# Altium PCB walle_sample_imu.PcbDoc
Units mil, origin at the board's own origin, x right, y up, seen from the top; angles counter-clockwise.
Board outline 771.65 x 547.04 mil, 4 copper layers (Top Layer, SIG2, SIG3, Bottom Layer), stack 23.756 mil thick; 38 components, 57 nets, 265 pads, 160 vias.
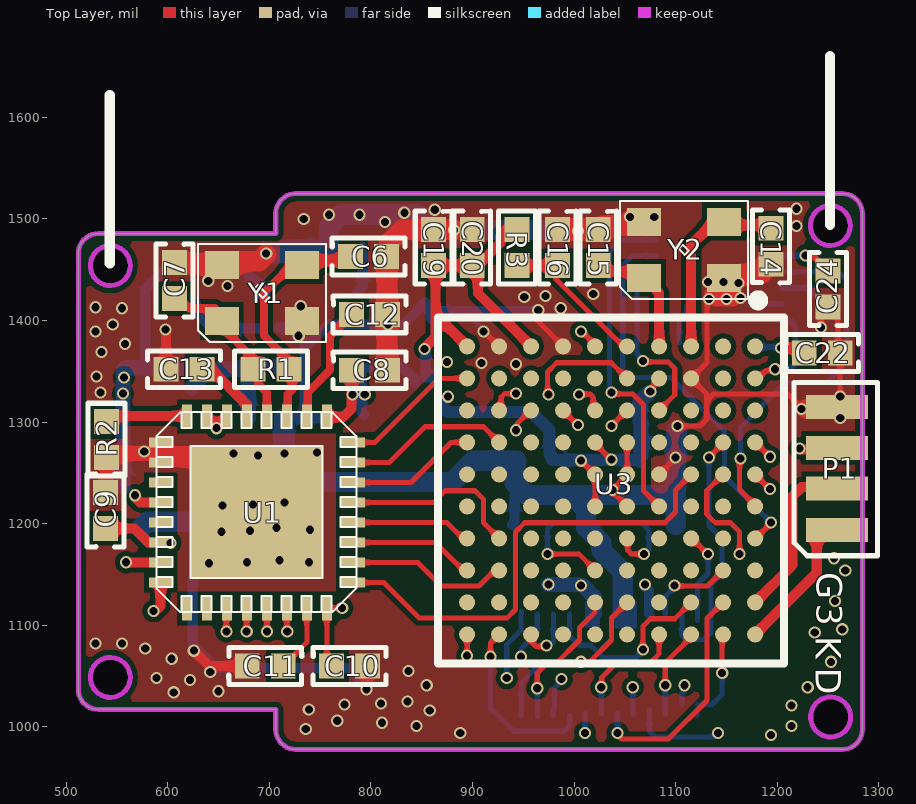
[diagram p0: Top Layer view]
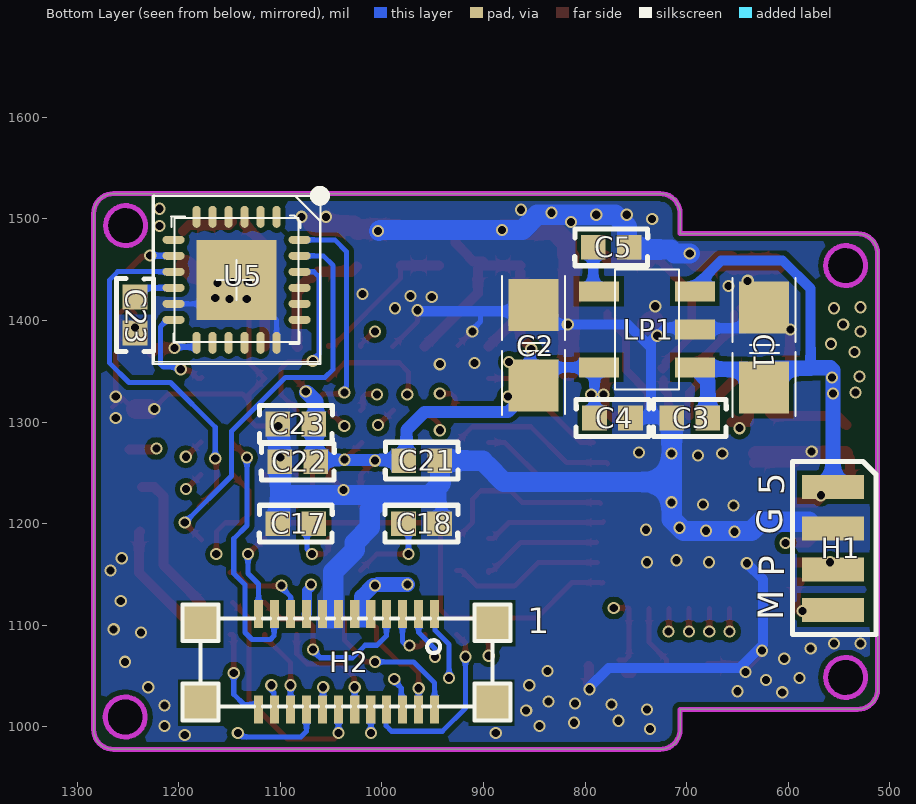
[diagram p1: Bottom Layer view, seen from below]
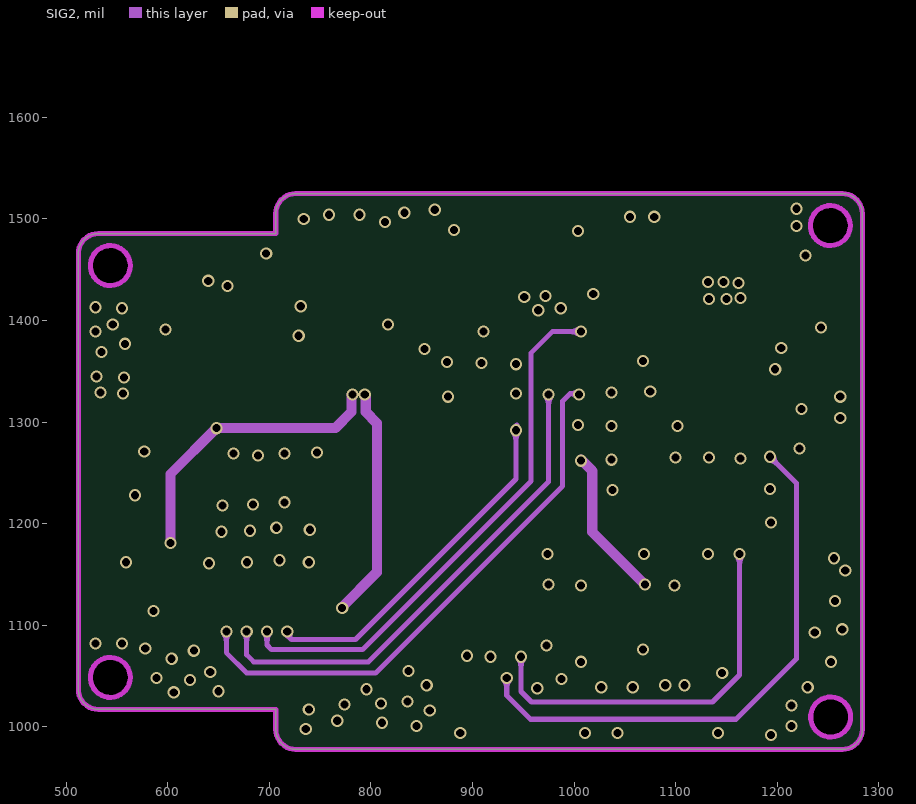
[diagram p2: SIG2]
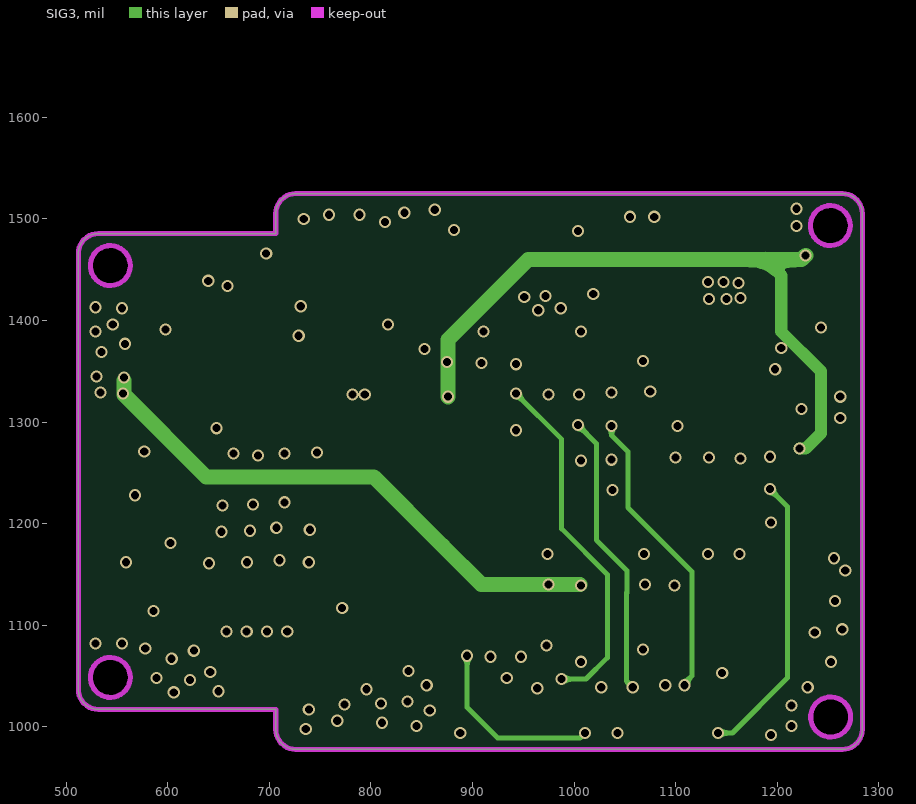
[diagram p3: SIG3]

## Layer stack, top to bottom
Top Solder: solder mask 0.4, Solder Resist, Dk 3.5
Top Layer: signal copper 1.4
Dielectric 2: prepreg 2.8, PP-006, Dk 4.1
SIG2: signal copper 1.3779
Dielectric 1: dielectric 12.6, FR-4, Dk 4.8
SIG3: signal copper 1.3779
Dielectric 3: prepreg 2.8, PP-006, Dk 4.1
Bottom Layer: signal copper 1.4
Bottom Solder: solder mask 0.4, Solder Resist, Dk 3.5

## Board outline
531.8,1017.2 cw(c531.8,1036.88) 512.11,1036.88 512.11,1465.81 cw(c531.8,1465.81) 531.8,1485.49 706.47,1485.49 706.47,1505.18 cw(c726.16,1505.18) 726.16,1524.86 1264.08,1524.86 cw(c1264.08,1505.18) 1283.77,1505.18 1283.77,997.51 cw(c1264.08,997.51) 1264.08,977.83 726.16,977.83 cw(c726.16,997.51) 706.47,997.51 706.47,1017.2
cut-out: 1252.27,1473.68 cw(c1252.27,1493.37) 1232.58,1493.37 cw(c1252.27,1493.37) 1252.27,1513.05 cw(c1252.27,1493.37) 1271.95,1493.37 cw(c1252.27,1493.37)
cut-out: 1232.92,1009.7 ccw(c1252.61,1009.7) 1252.61,990.01 ccw(c1252.61,1009.7) 1272.29,1009.7 ccw(c1252.61,1009.7) 1252.61,1029.38 ccw(c1252.61,1009.7)
cut-out: 543.61,1029.01 cw(c543.61,1048.7) 523.92,1048.7 cw(c543.61,1048.7) 543.61,1068.38 cw(c543.61,1048.7) 563.29,1048.7 cw(c543.61,1048.7)
cut-out: 543.61,1434.31 cw(c543.61,1454) 523.92,1454 cw(c543.61,1454) 543.61,1473.68 cw(c543.61,1454) 563.29,1454 cw(c543.61,1454)

## Design rules (kind name [scope] priority, off if disabled: settings)
Clearance [All] p1: gap=5 ignorepadtopadclearanceinfootprint=FALSE
ComponentClearance [All] p1: gap=10 collisioncheckmode=3 verticalgap=0 showdistances=FALSE
HoleToHoleClearance [All] p1: gap=0 allowstackedmicrovias=TRUE
MinimumSolderMaskSliver [All] p1: minsoldermaskwidth=0
PlaneConnect [All] p1: planeconnectstyle=Direct reliefexpansion=20 reliefentries=4 reliefconductorwidth=10 reliefairgap=10
PolygonConnect [All] p1: connectstyle=Direct reliefconductorwidth=10 reliefentries=4 polygonreliefangle="90 Angle" airgapwidth=10
RoutingVias [All] p1: holewidth=8 width=12 viastyle="Through Hole" minholewidth=8 minwidth=12 maxholewidth=8 maxwidth=20
SilkToSilkClearance [All] p1: silktosilkclearance=0
SilkToSolderMaskClearance [IsPad] p1: minsilkscreentomaskgap=0 clearancetoexposedcopper=TRUE
SolderMaskExpansion [All] p1: expansion=4
Width [All] p1: maxlimit=20 minlimit=5 preferedwidth=6
24 further rules are at their usual default settings.

## Classes and differential pairs
component class sensor: C22 C23 C24 U5
component class Blackbox-h743-bga: C1 C2 C3 C4 C5 C6 C7 C8 C9 C10 C11 C12 C13 C14 C15 C16 C17 C18 C19 C20 C21 C22 C23 H1 H2 LP1 P1 R1 R2 R3 U1 U3 Y1 Y2

## Components (designator, comment, footprint, x,y, rotation, side; value= is the part's Value field where it differs from the comment)
C1 "47uf" 0805_C 625,1383 r90 bottom
C2 "47uf" 0805_C 852,1385 r90 bottom
C3 "Cap" C0402 697,1304 r180 bottom value=104
C4 "Cap" C0402 773,1304 r180 bottom value=104
C5 "Cap" C0402 774.28,1472 r0 bottom value=10nf
C6 "Cap" C0402 797.82,1463 r0 top value=10P
C7 "Cap" C0402 606.82,1439.28 r90 top value=10P
C8 "104" C0402 798.82,1351 r0 top
C9 "104" C0402 538.82,1213 r90 top
C10 "104" C0402 779.11,1060 r0 top
C11 "10uf" C0402 696.11,1060 r180 top
C12 "10uf" C0402 798.82,1406 r0 top
C13 "10uf" C0402 616.11,1352 r180 top
C14 "Cap" C0402 1193.82,1473 r90 top value=10P
C15 "Cap" C0402 1023.82,1471.72 r270 top value=10P
C16 "10uf" C0402 983.82,1471.72 r270 top
C17 "Cap" C0402 1084.82,1200 r0 bottom value=2.2UF
C18 "Cap" C0402 961.11,1200 r180 bottom value=2.2UF
C19 "Cap" C0402 861.82,1471.72 r270 top value=104
C20 "Cap" C0402 899.82,1471.72 r270 top value=104
C21 "Cap" C0402 960.82,1262 r0 bottom value=104
C22 "Cap" C0402 1244.28,1368 r180 top value=104
C22 "Cap" C0402 1082.82,1261 r180 bottom value=104
C23 "Cap" C0402 1243,1405.28 r90 bottom value=1uf
C23 "Cap" C0402 1084.72,1298 r180 bottom value=104
C24 "Cap" C0402 1250,1431 r90 top value=104
H1 "header_4p_1.0" header4p_1.0_mini 555.02,1174.68 r270 bottom
H2 "HEADER_12PX2" 松下AXE-24PIN-0.4mm-socket 1035.09,1060.88 r0 bottom
LP1 "*3.3V稳压" SOT23-5 734,1389 r270 bottom
P1 "SWK" header4p_1.0_mini 1258,1255 r90 top
R1 "10M" R0402 701.82,1352 r180 top
R2 "Res2" R0402 539.82,1282.72 r270 top value=12k
R3 "10K" R0402 943.82,1471.72 r270 top
U1 "USB3300" USB3300 687.82,1211 r0 top
U3 "STM32H743VIH6" STMicroelectronics_TFBGA100-A08Q_MFG 1036.56,1232.76 r270 top locked
U5 "MPU6500" MPU6500-QFN24 1143,1440 r270 bottom
Y1 "晶振3225" X3225 692.82,1427 r0 top
Y2 "晶振3225" X3225 1108.19,1469.56 r0 top

## Footprints (in the part's own frame and the unit in brackets; to place one, negate y for a bottom-side part, rotate by r counter-clockwise, add the part's x,y. Pads: shape width x height; smd on the part's side, far side on the other; paste and mask are expansions set on the pad)
0805_C [mm]
  rect 1.3x1.25 smd: 1(-1.25,-0.025) 2(0.762,-0.025)
  silkscreen extent -1.98,-0.81 1.5,0.76
C0402 [mm]
  rect 0.62x0.62 smd: 1(-0.45,0) 2(0.45,0)
  silkscreen extent -0.91,-0.46 0.91,0.46, body extent -0.73,-0.25 0.73,0.25, height 0.51
header4p_1.0_mini [mm]
  rect 0.6x1.55 smd: 1(-1.557,-0.025) 2(-0.516,-0.025) 3(0.5,-0.025) 4(1.516,-0.025)
  silkscreen extent -2.2,-1.04 2.13,1.05
MPU6500-QFN24 [mm]
  oval 0.55x0.2 smd: 1(-1.575,1) 2(-1.575,0.6) 3(-1.575,0.2) 4(-1.575,-0.2) 5(-1.575,-0.6) 6(-1.575,-1) 13(1.575,-1) 14(1.575,-0.6) 15(1.575,-0.2) 16(1.575,0.2) 17(1.575,0.6) 18(1.575,1)
  oval 0.2x0.55 smd: 7(-1,-1.575) 8(-0.6,-1.575) 9(-0.2,-1.575) 10(0.2,-1.575) 11(0.6,-1.575) 12(1,-1.575) 19(1,1.575) 20(0.6,1.575) 21(0.2,1.575) 22(-0.2,1.575) 23(-0.6,1.575) 24(-1,1.575)
  rect 2x2 smd: 25(0,0)
  silkscreen extent -2.23,-2.1 2.1,2.21, body extent -1.55,-1.55 1.55,1.55, height 0.95
R0402 [mm]
  rect 0.62x0.62 smd: 1(-0.45,0) 2(0.45,0)
  silkscreen extent -0.91,-0.46 0.91,0.46, body extent -0.73,-0.25 0.73,0.25, height 0.51
SOT23-5 [mm]
  rect 0.5x1 smd: 1(0.894,1.069) 2(-0.056,1.069) 3(-1.006,1.069) 4(-1.006,-1.331) 5(0.894,-1.331)
  silkscreen extent -1.56,-0.93 1.44,0.67, body extent -1.51,-1.53 1.39,1.27, height 1.09
STMicroelectronics_TFBGA100-A08Q_MFG [mm]
  round 0.4 smd paste+0 mask+0: A1(-3.6,3.6) A2(-2.8,3.6) A3(-2,3.6) A4(-1.2,3.6) A5(-0.4,3.6) A6(0.4,3.6) A7(1.2,3.6) A8(2,3.6) A9(2.8,3.6) A10(3.6,3.6) B1(-3.6,2.8) B2(-2.8,2.8) B3(-2,2.8) B4(-1.2,2.8) B5(-0.4,2.8) B6(0.4,2.8) B7(1.2,2.8) B8(2,2.8) B9(2.8,2.8) B10(3.6,2.8) C1(-3.6,2) C2(-2.8,2) C3(-2,2) C4(-1.2,2) C5(-0.4,2) C6(0.4,2) C7(1.2,2) C8(2,2) C9(2.8,2) C10(3.6,2) D1(-3.6,1.2) D2(-2.8,1.2) D3(-2,1.2) D4(-1.2,1.2) D5(-0.4,1.2) D6(0.4,1.2) D7(1.2,1.2) D8(2,1.2) D9(2.8,1.2) D10(3.6,1.2) E1(-3.6,0.4) E2(-2.8,0.4) E3(-2,0.4) E4(-1.2,0.4) E5(-0.4,0.4) E6(0.4,0.4) E7(1.2,0.4) E8(2,0.4) E9(2.8,0.4) E10(3.6,0.4) F1(-3.6,-0.4) F2(-2.8,-0.4) F3(-2,-0.4) F4(-1.2,-0.4) F5(-0.4,-0.4) F6(0.4,-0.4) F7(1.2,-0.4) F8(2,-0.4) F9(2.8,-0.4) F10(3.6,-0.4) G1(-3.6,-1.2) G2(-2.8,-1.2) G3(-2,-1.2) G4(-1.2,-1.2) G5(-0.4,-1.2) G6(0.4,-1.2) G7(1.2,-1.2) G8(2,-1.2) G9(2.8,-1.2) G10(3.6,-1.2) H1(-3.6,-2) H2(-2.8,-2) H3(-2,-2) H4(-1.2,-2) H5(-0.4,-2) H6(0.4,-2) H7(1.2,-2) H8(2,-2) H9(2.8,-2) H10(3.6,-2) J1(-3.6,-2.8) J2(-2.8,-2.8) J3(-2,-2.8) J4(-1.2,-2.8) J5(-0.4,-2.8) J6(0.4,-2.8) J7(1.2,-2.8) J8(2,-2.8) J9(2.8,-2.8) J10(3.6,-2.8) K1(-3.6,-3.6) K2(-2.8,-3.6) K3(-2,-3.6) K4(-1.2,-3.6) K5(-0.4,-3.6) K6(0.4,-3.6) K7(1.2,-3.6) K8(2,-3.6) K9(2.8,-3.6) K10(3.6,-3.6)
  silkscreen extent -4.87,-4.33 4.33,4.32, body extent -4.57,-4.57 4.57,4.57, height 0.25
USB3300 [mm]
  rect 3.3x3.3 smd: 0(0,0)
  rect 0.6x0.25 smd: 1(-2.4,1.75) 2(-2.4,1.25) 3(-2.4,0.75) 4(-2.4,0.25) 5(-2.4,-0.25) 6(-2.4,-0.75) 7(-2.4,-1.25) 8(-2.4,-1.75) 17(2.4,-1.75) 18(2.4,-1.25) 19(2.4,-0.75) 20(2.4,-0.25) 21(2.4,0.25) 22(2.4,0.75) 23(2.4,1.25) 24(2.4,1.75)
  rect 0.25x0.6 smd: 9(-1.75,-2.4) 10(-1.25,-2.4) 11(-0.75,-2.4) 12(-0.25,-2.4) 13(0.25,-2.4) 14(0.75,-2.4) 15(1.25,-2.4) 16(1.75,-2.4) 25(1.75,2.4) 26(1.25,2.4) 27(0.75,2.4) 28(0.25,2.4) 29(-0.25,2.4) 30(-0.75,2.4) 31(-1.25,2.4) 32(-1.75,2.4)
  silkscreen extent -2.51,-2.49 2.49,2.51
X3225 [mm]
  rect 0.85x0.7 smd: 1(-1,-0.7) 2(1,-0.7) 3(1,0.7) 4(-1,0.7)
  silkscreen extent -1.6,-1.22 1.6,1.22
松下AXE-24PIN-0.4mm-socket [mm] "松下AXE-24PIN-0.4mm"
  rect 0.23x0.7 smd: 1(-2.208,-1.272) 2(-1.808,-1.272) 3(-1.405,-1.272) 4(-1.005,-1.272) 5(-0.61,-1.272) 6(-0.21,-1.272) 7(0.194,-1.272) 8(0.592,-1.272) 9(0.994,-1.272) 10(1.392,-1.272) 11(1.795,-1.272) 12(2.191,-1.272) 13(2.191,1.115) 14(1.795,1.115) 15(1.392,1.115) 16(0.994,1.115) 17(0.592,1.115) 18(0.194,1.115) 19(-0.21,1.115) 20(-0.61,1.115) 21(-1.005,1.115) 22(-1.405,1.115) 23(-1.808,1.115) 24(-2.208,1.115)
  rect 0.9x0.92 smd: ""(-3.658,-1.041) ""(-3.632,0.94) ""(3.632,0.94) ""(3.658,-1.016)
  silkscreen extent -4.11,-1.52 4.09,1.38

## Part data
C1 C2: library part cap_pn
C3 C4 C5 C6 C7 C14 C15 C17 C18 C19 C20 C21 C22 C22 C23 C23 C24: "Capacitor", LatestRevisionDate=17-Jul-2002, LatestRevisionNote="Re-released for DXP Platform.", PackageReference=RAD-0.3, Published=8-Jun-2000, Publisher="Altium Limited"
  C3 C4 C5 C6 C7 C14 C15 C19 C20 C21 C22 C23: PackageDescription="Radial Cap, Thru-Hole; 2 Leads; 0.3 in Pin Spacing"
C8 C9 C10 C11 C12 C13 C16: library part CAP
LP1: library part LP2985
P1: library part SWD_4P
R1 R3: library part RES
R2: "Resistor", LatestRevisionDate=17-Jul-2002, LatestRevisionNote="Re-released for DXP Platform.", PackageDescription="Axial Device, Thru-Hole; 2 Leads; 0.4 in Pin Spacing", PackageReference=AXIAL-0.4, Published=8-Jun-2000, Publisher="Altium Limited"

## Via types
v1: diameter 12, hole 8, Top Layer to Bottom Layer, 160 vias

## Nets (pads, with @x,y where several pads share a name; then routed paths per layer and width w, separated by ;. In a path a pad name is that pad's centre, name@x,y a point inside that pad or via, vN(x,y) a via of type N, cw(c..) or ccw(c..) an arc to the next point about the centre after c; other vN are vias at no path point)
3.3V-SEN: C2.1 C4.1 C8.1 C9.1 C10.1 C19.2 C20.2 C21.2 C22.2 C23.2@1067,1298 C24.2 H2.9 LP1.5 P1.3 R3.1 U1.6 U1.16 U1.25 U1.30 U1.31 U3.D2 U3.F4 U3.F5 U3.F6 U3.H1 U3.K1 U5.8 U5.13 | length 2560.5
  Top Layer w5: C10.1@766.82,1066 760.43,1066 756.72,1069.7 U1.16 757.21,1117 v1@768.82,1117 ; v1@1006.95,1262.13 U3.F5@1020.07,1249.01 ; U3.F4@1019.58,1279.99 v1@1033.57,1266 ; U3.F6 U3.F5@1020.82,1248.01 ; v1@1072,1329.43 U3.D2@1085.99,1343.42
  Top Layer w6: v1@1230,1463 1235.72,1463 C24.2
  Top Layer w10: C9.1@542.82,1191.28 542.82,1192.08 546.03,1195.28 567.17,1195.28 580.9,1181.55 593.26,1181.55 U1.6 ; U1.31@638.63,1307.37 U1.31 638.63,1300.08 638.7,1300 U1.30@656,1300 ; C10.1@754.39,1053 C10.1@759.82,1053 ; U1.25@759.82,1305 772.82,1305 781.11,1313.28 C8.1 ; v1(853,1372) 853,1373 863.82,1383.82 863.82,1405.5 ; C19.2@863.82,1447 863.82,1405.5 ; C19.2@863.82,1454 C20.2 ; U3.K1 863.82,1405.5 ; C20.2@900.82,1458 909.82,1458 914.82,1463 ; C20.2@903.82,1453 905.52,1451.3 905.52,1426.8 U3.H1 ; 915.72,1464.45 927.48,1476.2 927.48,1482.65 934.26,1489.43 R3.1 ; v1(1204,1373) 1221.57,1373 C22.2@1226.57,1368 ; v1@1224,1273 P1.3@1248.49,1273
  SIG2 w10: v1(602.82,1181) 602.82,1248.82 v1(648,1294) 765,1294 781,1310 v1@781,1327 ; v1@771.32,1117.5 806,1152.18 806,1299 795,1310 v1@795,1326 ; v1@1007,1263 1018,1252 1018,1191.82 v1(1069.82,1140)
  SIG3 w12: 1188,1460 1204,1444 1204,1389 1243,1350 1243,1289 1228,1274 v1(1222,1274)
  SIG3 w15: v1(876,1325) 876,1381 955,1460 1188,1460 1224,1460 v1(1228,1464)
  Bottom Layer w6: U5.13 1182.37,1374.87 1183.24,1374 v1@1201,1374 ; U5.8 1205.2,1463.81 v1@1228.19,1463.81
  Bottom Layer w10: C4.1@793,1307 790.72,1309.28 790.72,1349.52 LP1.5 831.41,1353.82 844,1341.23 C2.1@844,1338 ; C2.1@854,1344 v1@854,1370 ; C22.2@1065,1266 C22.2@1066,1267 ; v1@1070,1138 1073.75,1134.25 1073.75,1111.43 H2.9
  Bottom Layer w12: C2.1@858,1346 C2.1@861,1343 ; C2.1@869,1323 869,1316.82 875.82,1310 958,1310 975.8,1292.2 975.8,1268.2 C21.2@979,1265 ; C21.2@978.54,1262.62 1063.49,1262.62 1065,1261.11 C22.2@1065,1261
  Bottom Layer w15: C22.2@1066,1267 C23.2@1066,1299 ; C23.2@1067,1298 C23.2@1066,1299 ; v1@1074,1329 1073.79,1329 1065,1320.21 1065,1300 C23.2@1066,1299
  other v1: 771.82,1117 1006.82,1262 1036.82,1263 782,1327 794,1327 1075,1330 875,1359
BOOT0: C1.2 C2.2 C3.1 C4.2 C5.1 C6.2 C7.2 C8.2 C9.2 C10.2 C11.2 C12.2 C13.2 C14.1 C15.1 C16.1 C17.2 C18.2 C19.1 C20.1 C21.1 C22.1 C23.1 C24.1 H1.2 H2.7 H2.8 LP1.2 P1.4 R2.2 U1.0 U1.1 U1.2 U3.C2 U3.D5 U3.E4 U3.E5 U3.E6 U3.G1 U3.J1 U5.11 U5.18 U5.25 Y1.2 Y1.4 Y2.2 Y2.4 | length 3516.4
  Top Layer w5: v1@911.25,1389.18 U3.J1@925.24,1375.18 ; v1(964.82,1410) 964.82,1398.99 U3.G1 ; v1@1037.58,1231.99 U3.E6@1051.57,1218 ; v1@1038.82,1234.25 U3.E5@1052.31,1247.74 ; U3.E4 U3.E5 U3.E5@1052.31,1247.74 ; U3.E5@1053,1246 1052.31,1246.69 U3.E5@1052.31,1247.74 ; U3.D5@1084.01,1248.58 v1@1098,1262.57 ; v1@1102.87,1296.13 1124.13,1296.13 1130.68,1302.68 1130.68,1321 ; Y2.2@1147.82,1437 1139.61,1437 1131,1428.39 1131,1358.7 U3.C2 1130.68,1327.63 1130.68,1321 ; v1@1243,1394 1243,1406.28 C24.1 ; P1.4@1254.81,1323.02 1245.79,1314 1224,1314 1212.12,1325.88 1210.37,1327.63 1137.3,1327.63 1130.68,1321 ; C24.1@1255,1410 1259.7,1405.3 1259.7,1370.3 1262,1368 v1(1262,1325) 1262,1318 P1.4@1265,1315 ; P1.4@1256.82,1321 P1.4@1259,1323.18
  Top Layer w10: C9.2 539.32,1231.22 539.32,1263.5 R2.2@539.82,1264 ; R2.2 R2.2@543.82,1269 ; U1.2@593.26,1260.29 U1.2 633.61,1260.21 U1.0@633.82,1260 ; C13.2 598.39,1390.39 v1@599,1391 ; v1(625.82,1075) 640.82,1060 C11.2 ; v1(795.82,1037) 796.21,1037.38 796.21,1059.38 C10.2
  Top Layer w15: R2.2@543.82,1269 U1.0@632,1269
  Top Layer w20: C7.2@611.82,1455 612.82,1456 645.89,1456 Y1.4@646.89,1455 ; Y1.4 657.23,1458.34 690.34,1458.34 v1@697,1465 ; Y1.2 735.15,1399.44 Y1.2@738.93,1395.66 ; C6.2 816.04,1462.5 816.04,1352.78 C8.2@817.82,1351 ; C8.2@815.82,1350.28 C8.2 ; C6.2@817.82,1465 817.82,1476 831.05,1489.23 v1@881.82,1489.23 ; C16.1 984.39,1490 1023.82,1490 C15.1@1024.39,1490 ; C15.1@1022.82,1489 1023.39,1489 C15.1 C15.1@1024.39,1490 ; Y2.4 1065.04,1493.34 1027.73,1493.34 C15.1@1024.39,1490 ; 1140.34,1423.78 1156,1423.78 ; Y2.2 1151.34,1445.78 1184.32,1445.78 C14.1@1192.82,1454.28 ; P1.4@1229,1312.81 P1.4@1241.98,1312.81
  Bottom Layer w5: 903,1406 903,1398.89 911,1390.89 v1(911,1389) ; C22.1@1090.83,1270.7 1098.54,1263 C22.1@1099.82,1263 ; U5.18 1103.63,1400.63 1111,1408 U5.25@1111,1414 ; U5.25@1168,1424 1175.62,1416.38 U5.11
  Bottom Layer w10: C1.2 C1.2@628,1417 ; C1.2@631,1411 631,1405.02 643.61,1392.41 690.74,1392.41 LP1.2 ; v1(640.82,1161) 624.82,1145 624.82,1081 647.82,1058 776.82,1058 v1@796.82,1038 ; LP1.2@709,1393 720.46,1393 v1@728.46,1385 ; C3.1@717,1301 719.5,1303.5 735,1303.5 ; v1@730,1385 735,1380 735,1373 ; C5.1@747.8,1464.8 749.36,1464.8 752,1467.43 C5.1@752,1469 ; C4.2@755.28,1303 754.78,1303.5 735,1303.5 ; v1@816,1396 758,1396 735,1373 ; v1(817,1396) 832,1396 C2.2 857,1409 862,1409 v1@964,1409 ; C2.2@849.5,1414 C2.2@853.5,1418 ; C18.2@938.82,1199 941.39,1201.57 941.39,1240 ; 735,1303.5 735,1373
  Bottom Layer w15: C2.2@862,1410 862,1409 862,1403.02 C2.2@868.11,1396.91
  Bottom Layer w20: H1.2@575,1197 580,1202 627,1202 636.28,1192.72 703,1192.72 714.72,1204.43 714.72,1241 ; v1(697,1466) 711.73,1466 715.52,1469.8 755.8,1469.8 C5.1@756,1470 ; C3.1 714.72,1241 ; C5.1 758.77,1474.2 758.77,1492.28 770.49,1504 847,1504 862,1489 v1(881.82,1489) 1001.82,1489 v1@1002.82,1488 ; 897,1258 880,1241 714.72,1241 ; 900.9,1262 C21.1 942.82,1261.72 942.82,1245 ; 941.82,1240 953.62,1228.2 997.41,1228.2 ; 1049.82,1108 1048,1109.82 1048,1152.82 1026.82,1174 1026.82,1181.3 1011.82,1196.3 1011.82,1213.8 997.41,1228.2 ; 1097,1230 1095.2,1228.2 997.41,1228.2 ; C17.2@1100,1199 1100,1260.46 1100.54,1261 1100.82,1261.28 C23.1@1100.82,1292
  other v1: 1194,992 888,994 736,998 845,1001 1214,1001 811,1004 767,1006 858,1016 739,1017 1214,1021 774,1022 810,1023 836,1025 606,1034 650,1035 1230,1039 855,1041 622,1046 589,1048 642,1054 837,1055 1253,1064 604,1067 578,1077 529,1082 555,1082 1237,1093 1264,1096 1257,1124 1267,1154 678,1162 739,1162 710,1164 1256,1166 653,1192 681,1193 740,1194 707,1196 654,1218 684,1219 715,1221 1037.82,1233 1100,1265 689,1267 665,1269 715,1269 747,1270 577,1271 1102,1296 1262,1304 1224,1313 534,1329 530,1345 943,1357 909,1358 535,1369 558,1377 729,1385 529,1389 598,1391 1243,1393 546,1396 555,1412 987,1412 529,1413 731,1414 1133,1421 1150,1421 1164,1422 951,1423 972,1424 1019,1426 659,1434 1162,1437 1132,1438 1147,1438 640,1439 1003.82,1488 1219,1493 814,1497 734,1500 1055,1502 1079,1502 759,1504 789,1504 833,1506 863,1509 1219,1510
CAM_D2: H2.4 U3.C9 | length 185.4
  Top Layer w5: v1@1067.82,1077 1067.82,1099 1075.23,1106.41 1099.18,1106.41 U3.C9
  Bottom Layer w5: H2.4 995.52,1089.68 1004.86,1080.34 1016.48,1080.34 1028.82,1068 1060.82,1068 v1@1068.32,1075.5
  other v1: 1067.82,1076
CAM_D3: H2.19 U3.D10 | length 113.7
  Top Layer w5: v1@1027.32,1042 1027.32,1048.5 1040.82,1062 1073.82,1062 1083.81,1071.98 U3.D10
  Bottom Layer w5: v1@1026.82,1035 1027.03,1017 H2.19@1027.07,1013.01
  other v1: 1026.82,1039
CAM_D4: H2.23 U3.F9 | length 138.5
  Top Layer w5: v1@963.82,1035 963.82,1053 972.82,1062 982.03,1062 1005.44,1085.41 1005.44,1097.62 1020.82,1112.99 U3.F9
  Bottom Layer w5: 963.84,1032 964,1017 964.06,1011 H2.23@964.07,1010.01
  other v1: 963.82,1038
CAM_D5: H2.24 U3.E9 | length 184
  Top Layer w5: v1(1006.82,1064) 1015.53,1064 1036.94,1085.41 1036.94,1107.15 U3.E9
  Bottom Layer w5: H2.24@947.6,1010.99 H2.24@947.58,1012.99 ; H2.24@948.17,1011 H2.24 948.17,1043.35 968.82,1064 v1(1006.82,1064)
CAM_D6: H2.10 U3.B8 | length 89.3
  Top Layer w5: v1(1098.82,1139) 1099.17,1138.65 1131.43,1138.65 U3.B8 1148.86,1151.97 U3.B8@1149.36,1151.97
  Bottom Layer w5: H2.10 1089.82,1111.03 1089.82,1128.11 1097.82,1136.11 v1@1097.82,1139
CAM_D7: H2.12 U3.C7 | length 90.6
  Top Layer w5: U3.C7@1115.58,1185.99 v1@1129.57,1172
  Bottom Layer w5: H2.12@1121.35,1104.96 H2.12 1121.35,1140.53 1131.82,1151 v1(1131.82,1170) v1@1130.82,1171
CAM_D8: H2.11 U3.B4 | length 255.2
  Top Layer w5: v1@1133.82,1266.25 U3.B4@1147.82,1280.24
  Bottom Layer w5: H2.11 1106.14,1110.58 1106.14,1089.68 1109.75,1086.07 1127.89,1086.07 1134.82,1093 1134.82,1139.86 1145.82,1150.86 1145.82,1185.18 1132.82,1198.18 v1@1132.82,1264
  other v1: 1132.82,1265
CAM_D9: H2.14 U3.E3 | length 334.6
  Top Layer w5: v1@1037,1296.43 U3.E3@1050.99,1310.42
  SIG3 w5: v1(1037,1296) 1037,1287 1053,1271 1053,1216 1116,1153 1116,1050 1109,1043 v1@1109,1039
  Bottom Layer w5: H2.14@1106.13,1022 1106.02,1033.05 1108.89,1035.99 v1(1108.82,1041) v1@1108.82,1043
CAM_EXP: H2.18 U3.B9 | length 230.5
  Top Layer w5: v1@1042.82,992 1046.82,988 1092.82,988 1130.82,1026 1130.82,1106.55 U3.B9
  Bottom Layer w5: H2.18@1042.58,1012.99 v1@1042.8,991
  other v1: 1042.82,994
CAM_HSYNC: H2.17 U3.G3 | length 324.2
  Top Layer w5: U3.G3@988.58,1311.99 v1@1002.57,1298
  SIG3 w5: v1(1003.82,1297) 1022,1278.82 1022,1184 1052,1154 1052,1132 ; 1051.82,1132 1051.82,1045 v1(1057.82,1039)
  Bottom Layer w5: v1@1057.82,1035.99 1058.02,1017 H2.17@1058.07,1012.01
CAM_PCLK: H2.22 U3.J3 | length 413.2
  Top Layer w5: U3.J3 928.38,1313.56 928.38,1324.56 931.82,1328 v1@937.82,1328
  SIG3 w5: v1(943,1328) 987.82,1283.18 987.82,1195 1032.82,1150 1032.82,1068 1011.82,1047 v1(987.82,1047)
  Bottom Layer w5: H2.22@979.6,1011 979.58,1012.99 979.8,1013.21 H2.22 981,1018.22 981,1038.28 987.72,1045 v1@987.82,1045
CAM_RST: H2.13 U3.B10 | length 103
  Top Layer w5: v1(1145.82,1053) 1145.82,1090.06 U3.B10 U3.B10@1149.71,1091.03
  Bottom Layer w5: H2.13@1121.01,1017 H2.13@1121.07,1011.01 ; H2.13 1123.38,1019.03 1123.38,1020.44 1121.82,1022 1135.82,1022 1145.82,1032 v1(1145.82,1053)
CAM_STB: H2.15 U3.C10 | length 92.7
  Top Layer w5: v1@1089.82,1038 1089.82,1063 1115.3,1088.48 U3.C10
  Bottom Layer w5: v1(1089.82,1041) 1089.82,1017.2 1090.02,1017 H2.15@1090.07,1012.01
CAM_VSYNC: H2.16 U3.A5 | length 398
  Top Layer w5: U3.A5@1178.08,1248.47 v1@1192.82,1233.73
  SIG3 w5: v1(1141.82,994) 1156,994 1210,1048 1210,1216.82 v1@1194.82,1232
  Bottom Layer w5: H2.16 1074.22,995.6 1079.82,990 1137.82,990 1141.16,993.34 1141.16,996.66 v1@1141.82,996
  other v1: 1192.82,1234
Crystal1: C14.2 U3.C1 Y2.3 | length 181
  Top Layer w10: U3.C1 1115.3,1474.48 Y2.3@1135.82,1495 ; Y2.3 1150.76,1493.92 1189.91,1493.92 C14.2@1195.82,1488
Crystal2: C15.2 U3.D1 Y2.1 | length 124.9
  Top Layer w10: C15.2@1024.82,1453 1029.82,1448 1062.82,1448 Y2.1 1071.78,1442 1080.56,1433.22 1080.56,1430.27 1083.81,1427.02 1083.81,1374.98 U3.D1@1082.82,1374
I2C1_SCL: H2.2 U3.B5 | length 535.6
  Top Layer w5: U3.B5 1130.68,1232.39 1130.68,1209.32 1139.11,1200.89 1154.11,1200.89 ; 1154,1201 1154.11,1200.89 ; v1(1163,1170) 1162.92,1170.08 1162.92,1192.08 1154.11,1200.89
  SIG2 w5: v1(947.82,1069) 947.82,1034.91 958.23,1024.5 1136.41,1024.5 1163,1051.09 v1(1163,1170)
  Bottom Layer w5: v1@947.82,1073 947.82,1077 963.82,1093 963.82,1110.89 H2.2
I2C1_SDA: H2.1 U3.A4 | length 641.8
  Top Layer w5: U3.A4@1178.26,1280.3 v1@1192.87,1265.69 ; U3.A4@1178.3,1279.74 U3.A4
  SIG2 w5: v1(933.82,1048) 933.82,1030.77 957.09,1007.5 1159.5,1007.5 1219,1067 1219,1239.82 v1(1193,1265.82)
  Bottom Layer w5: v1@934.82,1046 933.82,1047 v1(933.82,1048) 933.82,1081 947.82,1095 947.82,1110.61 H2.1 H2.1@948.17,1114.21
IO0: H2.3 U3.H10 | length 54.6
  Top Layer w5: U3.H10 957.82,1084 962.82,1079 v1@969.48,1079
  Bottom Layer w5: v1@972.82,1078.89 v1(972.82,1080) ; v1@975.72,1079.89 979.78,1083.95 H2.3
IO1: H2.21 U3.J10 | length 175.8
  Top Layer w5: v1(917.82,1069) 917.82,1082.53 U3.J10
  Bottom Layer w5: v1(917.82,1069) 917.82,1018.43 940.54,995.72 990.54,995.72 995.82,1001 995.82,1010.7 H2.21@995.52,1011
IO2: H2.20 U3.K10 | length 230.2
  Top Layer w5: v1(894.82,1070) 894.82,1088.06 897.79,1091.03 U3.K10
  SIG3 w5: v1(894.82,1070) 894.82,1019 924.82,989 1005.82,989 v1(1010.82,994)
  Bottom Layer w5: v1@1009.05,992.68 1010.82,994.46 1010.82,1010.31 H2.20@1010.6,1010.53 ; H2.20@1010.58,1012.99 1010.6,1011 H2.20@1010.6,1010.53 ; v1@1010.8,991 v1@1010.79,992.7 ; H2.20@1011.07,1011 H2.20@1010.6,1010.53
MPU_CLK: U3.A7 U5.23 | length 394.1
  Top Layer w5: U3.A7@1177.53,1184.08 v1@1192.27,1198.82
  Bottom Layer w5: U5.23 1057.62,1463.62 1048,1454 1048,1352 1056,1344 1095,1344 1148,1291 1148,1247 v1(1194,1201)
MPU_CS: U3.D3 U5.22 | length 185
  Top Layer w5: v1@1066,1362 v1(1068,1360) 1068.88,1359.12 1092.88,1359.12 1099.18,1352.82 1099.18,1326.88 U3.D3
  Bottom Layer w5: v1@1065,1364 1062,1367 1062,1443 1067,1448 U5.22@1080,1448
MPU_INT: U3.A2 U5.12 | length 99.1
  Top Layer w5: U3.A2@1177.3,1344 U3.A2 1181.2,1343 1188.86,1350.66 1197.66,1350.66 v1@1198,1351
  Bottom Layer w5: v1(1198,1352) 1200,1354 1215.07,1354 1218,1356.93 1218,1393.75 1211.12,1400.63 U5.12
MPU_MISO: U3.A6 U5.9 | length 364.2
  Top Layer w5: v1(1164,1264) 1162.92,1262.92 1162.92,1233.52 U3.A6@1179.92,1216.53
  Bottom Layer w5: v1(1164,1264) 1164,1295 1208,1339 1249,1339 1268,1358 1268,1440 1260,1448 1254.25,1448 ; U5.9 1205.13,1448 1254,1448
MPU_MOSI: U3.D6 U5.24 | length 334.3
  Top Layer w5: v1(1037,1329) 1038.37,1327.63 1057.93,1327.63 1068.43,1317.12 1068.43,1232.39 U3.D6
  Bottom Layer w5: v1@1040.5,1329.5 1035,1335 1035,1468 1046.37,1479.37 U5.24
NetC5_2: C5.2 LP1.4 | length 46.1
  Bottom Layer w10: LP1.4 787.16,1428.62 792,1433.46 C5.2
NetC11_1: C11.1 U1.15 | length 61.6
  Top Layer w5: C11.1@719.82,1062 719.82,1066 737.04,1083.21 U1.15
NetC12_1: C12.1 U1.26 | length 118.4
  Top Layer w8: U1.26 737.96,1306.38 737.96,1329.28 759.82,1351.15 759.82,1384.72 777.82,1402.72 C12.1@777.82,1407
NetC13_1: C13.1 U1.29 | length 64.6
  Top Layer w10: C13.1@639.82,1353 640.09,1352.73 642.27,1352.73 677.92,1317.08 677.92,1305.55 U1.29
NetC17_1: C17.1 U3.E7 | length 66.6
  Top Layer w5: U3.E7 1051.82,1185.03 1052.82,1184.03 1052.82,1173.87 1056.59,1170.11 1066.82,1170.11 v1@1066.82,1169
  Bottom Layer w5: C17.1@1066.11,1201 C17.1 1073.82,1193.28 1073.82,1175 v1(1068.82,1170) v1@1067.82,1169
NetC18_1: C18.1 U3.F8 | length 82.2
  Top Layer w5: v1@976.82,1171 977.82,1170 1005.08,1170 U3.F8@1021.07,1154.01
  Bottom Layer w5: v1@975.82,1172 973.82,1174 973.82,1195 C18.1
  other v1: 973.82,1170
NetR2_1: R2.1 U1.32 | length 80
  Top Layer w10: R2.1@542.82,1297 551.82,1306 614.82,1306 U1.32@617.82,1309
REGOUT: C23.2@1243,1423 U5.10 | length 36.2
  Bottom Layer w6: U5.10 1233.8,1432.13 1237,1428.92 C23.2@1237,1426
RST: C16.2 R3.2 U3.E1 | length 149.4
  Top Layer w5: C16.2@981,1454 981.82,1453.18 981.82,1441.18 1047.53,1375.47 1052.31,1375.47 1051.82,1374.98 U3.E1
  Top Layer w10: R3.2 C16.2@981,1454
SWD_SCLK: P1.2 U3.A9 | length 144.2
  Top Layer w10: U3.A9 1215,1159.23 1215,1227 1224,1236 P1.2@1235.82,1236
SWD_SDIO: P1.1 U3.A10 | length 126.5
  Top Layer w10: U3.A10 1239,1151.74 1239,1191 P1.1@1238,1192
USB_CLK: U1.14 U3.H3 | length 401.3
  Top Layer w5: v1@717.35,1092.53 U1.14 ; 943.82,1298.25 U3.H3@957.82,1312.24
  SIG2 w5: v1(717.82,1094) 718.82,1094 716.82,1092 717.93,1092 v1@718.72,1091.21 ; v1@943.82,1297 942.82,1296 942.82,1244 784.82,1086 721.82,1086 716.61,1091.21 v1@718.72,1091.21 ; v1@718.72,1091.21 719.16,1090.77 719.61,1091.21 v1@718.72,1091.21
  other v1: 943,1292
USB_D0: U1.24 U3.K2 | length 129.1
  Top Layer w5: U1.24@791.82,1280 804,1280 867,1343 U3.K2
USB_D1: U1.23 U3.J4 | length 169.9
  Top Layer w5: U1.23@777.82,1259 779.04,1260.21 U1.23 818.21,1260.21 853.38,1295.38 910.95,1295.38 U3.J4
USB_D2: U1.22 U3.K4 | length 123.6
  Top Layer w5: U1.22@787.82,1240 788.35,1240.53 839.53,1240.53 879.01,1280.01 U3.K4
USB_D3: U1.21 U3.J7 | length 179.5
  Top Layer w5: U1.21@784.82,1220 785.67,1220.84 862,1220.84 ; 862,1221 873.39,1232.39 902.61,1232.39 910.85,1224.15 910.85,1201 U3.J7
USB_D4: U1.20 U3.K7 | length 119.8
  Top Layer w5: U1.20@781.82,1202 782.67,1201.16 874.84,1201.16 890.48,1185.52 U3.K7
USB_D5: U1.19 U3.K8 | length 119.6
  Top Layer w5: U1.19@788.82,1182 789.35,1181.47 863.53,1181.47 891,1154 U3.K8 ; U3.K8@894.83,1152.01 U3.K8
USB_D6: U1.18 U3.J8 | length 154.3
  Top Layer w5: U1.18@788.04,1161.79 846.21,1161.79 869.35,1138.65 906.56,1138.65 915.82,1147.9 915.82,1147.99 921.85,1154.02 U3.J8
USB_D7: U1.17 U3.C5 | length 463.8
  Top Layer w5: U1.17 782.82,1141.59 784.71,1141.59 785.12,1142 812.82,1142 847.67,1107.15 894.82,1107.15 ; 894.82,1107 933.82,1107 942.45,1115.63 942.45,1191.89 951.45,1200.89 1089.43,1200.89 1099.93,1211.4 1099.93,1233.14 U3.C5
USB_DIR: U1.12 U3.E2 | length 616.2
  Top Layer w5: v1@677.74,1095 U1.12@677.74,1116.43 ; v1(975,1327) 973.95,1328.06 973.95,1349 973.95,1349.37 982.95,1358.37 1036.7,1358.37 U3.E2@1053.07,1342.01
  SIG2 w5: v1(677.82,1094) 677.82,1071 684.82,1064 797.82,1064 975,1241.18 v1(975,1327)
USB_DM: H1.4 U1.8 | length 39.9
  Top Layer w10: v1@587.14,1113 593,1118.86 593,1142.02 589,1142.02 589.08,1142.1 U1.8 U1.8@593.26,1142.02
  other v1: 586,1114
USB_DP: H1.3 U1.7 | length 33.7
  Top Layer w10: v1@559.79,1161.79 U1.7 U1.7@593.26,1161.87
  other v1: 559,1162
USB_ID: U1.5
USB_NXT: U1.11 U3.F3 | length 587.9
  Top Layer w5: v1@657.74,1096 U1.11@657.74,1116.43 ; v1@1006.82,1329 1008.2,1327.63 1015.83,1327.63 1018.76,1324.7 1018.76,1313.56 U3.F3
  SIG2 w5: v1@656.82,1092 657.82,1091 657.82,1073 677.82,1053 804.82,1053 988.82,1237 988.82,1320.82 996,1328 v1@1006.82,1328
  other v1: 657.82,1094 1004.82,1327
USB_STP: U1.13 U3.F1 | length 569.7
  Top Layer w5: U1.13 697.74,1116.43 v1@697.74,1094 ; v1@1008,1389 1020.82,1376.18 U3.F1 U3.F1@1020.82,1374.24
  SIG2 w5: v1(697.82,1094) 697.82,1080.5 702.32,1076 791.82,1076 957.82,1242 957.82,1368.18 978.65,1389 v1@1006,1389
  other v1: 1006.82,1389
USBCrystal1: C6.1 R1.1 U1.27 Y1.3 | length 221
  Top Layer w8: U1.27 718.29,1306.39 718.29,1327.46 722.82,1332 R1.1@722.82,1342 ; R1.1@723.54,1352 724.82,1353.28 722.26,1353.28 720.82,1354.72 720.82,1359.18 695,1385 695,1427.32 726.68,1459 Y1.3@728.82,1459
  Top Layer w12: Y1.3@737,1457 738.78,1458.78 775.89,1458.78 C6.1
USBCrystal2: C7.1 R1.2 U1.28 Y1.1 | length 159.1
  Top Layer w8: C7.1@606.82,1426.57 621.39,1412 Y1.1@646.82,1412 ; Y1.1@653.45,1406.44 Y1.1 653.45,1393.55 685.82,1361.18 R1.2@685.82,1353 ; R1.2@688.82,1348 688.82,1338 697.54,1329.28 697.54,1305.61 U1.28
VBUS: C1.1 C3.2 H1.1 H2.5 H2.6 LP1.1 LP1.3 U1.4 | length 1156.3
  Top Layer w10: v1@568,1226 573.08,1220.92 593.26,1220.92 U1.4
  SIG3 w15: v1@557,1341 557,1327 638,1246 803,1246 870.82,1178.18 870.82,1178 908.82,1140 v1(974.82,1140) v1@1005.82,1140
  Bottom Layer w10: 578,1353 578,1431.34 605.66,1459 666,1459 690.32,1434.68 692,1434.68 686.32,1429 LP1.3@690,1429
  Bottom Layer w15: H1.1 v1(556,1328) 556,1351 558.38,1353.38 577.12,1353.38 ; 578,1353 C1.1@620,1353 ; C1.1 626.23,1336 626.23,1336.98 641.12,1351.88 680.88,1351.88 LP1.1@684,1355 ; C3.2 679.28,1340.28 LP1.1@689,1350 ; LP1.3 LP1.3@693.67,1426.88 ; LP1.1@703,1355 703,1354.93 LP1.1@703.93,1354 ; v1(974.82,1140) v1@1003.82,1140 ; v1@1008.82,1139 1019.82,1128 1019.82,1112
  other v1: 1006.82,1139 568,1228 557,1344
pads on no net: H2. U1.3 U1.9 U1.10 U3.A1 U3.A3 U3.A8 U3.B1 U3.B2 U3.B3 U3.B6 U3.B7 U3.C3 U3.C4 U3.C6 U3.C8 U3.D4 U3.D7 U3.D8 U3.D9 U3.E8 U3.E10 U3.F2 U3.F7 U3.F10 U3.G2 U3.G4 U3.G5 U3.G6 U3.G7 U3.G8 U3.G9 U3.G10 U3.H2 U3.H4 U3.H5 U3.H6 U3.H7 U3.H8 U3.H9 U3.J2 U3.J5 U3.J6 U3.J9 U3.K3 U3.K5 U3.K6 U3.K9 U5.1 U5.2 U5.3 U5.4 U5.5 U5.6 U5.7 U5.14 U5.15 U5.16 U5.17 U5.19 U5.20 U5.21

## Polygon pours and split planes (outlines as drawn)
BOOT0 on Top Layer "Top Layer-BOOT0" (solid, remove dead copper, pour order 0): 463,1572 470,1565 1331,1565 1331,953 1315,937 464,937
BOOT0 on Bottom Layer "Bottom Layer-BOOT0" (solid, remove dead copper, pour order 2): 455,1561 461,1563 1322,1563 1322,951 1306,935 455,935

## Keep-outs
Keep-Out Layer:
  circle w5: c543.61,1048.7 r19.68
  circle w5: c543.61,1454 r19.68
  circle w5: c1252.61,1009.7 r19.68
  circle w5: c1252.27,1493.37 r19.68
  lines w5: 512.11,1036.88 ccw(c531.8,1036.88) 531.8,1017.2 706.47,1017.2 706.47,997.51 ccw(c726.16,997.51) 726.16,977.83 1264.08,977.83 ccw(c1264.08,997.51) 1283.77,997.51 1283.77,1505.18 ccw(c1264.08,1505.18) 1264.08,1524.86 726.16,1524.86 ccw(c726.16,1505.18) 706.47,1505.18 706.47,1485.49 531.8,1485.49 ccw(c531.8,1465.81) 512.11,1465.81 512.11,1036.88

## Other copper
Bottom Layer:
  rectangle net BOOT0: 1039.82,1097 1061.82,1124
  rectangle net VBUS: 1010.82,1098 1025.82,1124

## Silkscreen, mask and mechanical layers (free items; w line width, h text height)
Top Overlay:
  lines w10: 543,1456 543,1622 ; 1252,1494 1252,1660
  text "G" at 1239,1152 h25 r270
  text "3" at 1239,1121 h25 r270
  text "K" at 1238,1089 h25 r270
  text "D" at 1238,1058 h25 r270
Bottom Overlay:
  text "5" at 604,1228 h25 r270
  text "G" at 606,1189 h25 r270
  text "P" at 604,1148 h25 r270
  text "M" at 605,1105 h25 r270
  text "1" at 857,1092 h25
Mechanical 1:
  circle w0.5: c1252.61,1009.7 r19.68
  circle w0.5: c543.61,1048.7 r19.68
  circle w0.5: c1252.27,1493.37 r19.68
  circle w0.5: c543.61,1454 r19.68
  lines w0.5: 512.11,1036.88 ccw(c531.8,1036.88) 531.8,1017.2 706.47,1017.2 706.47,997.51 ccw(c726.16,997.51) 726.16,977.83 1264.08,977.83 ccw(c1264.08,997.51) 1283.77,997.51 1283.77,1505.18 ccw(c1264.08,1505.18) 1264.08,1524.86 726.16,1524.86 ccw(c726.16,1505.18) 706.47,1505.18 706.47,1485.49 531.8,1485.49 ccw(c531.8,1465.81) 512.11,1465.81 512.11,1036.88